# Altium PCB controller_V1.0.PcbDoc (part 1 of 8)
Units mm, origin at the board's own origin, x right, y up, seen from the top; angles counter-clockwise.
Board outline 284.13 x 175.13 mm, 4 copper layers (Top Layer, GND, VCC, Bottom Layer); 496 components, 415 nets, 1682 pads, 750 vias.
Unrouted connection lines stored in the file: 5.
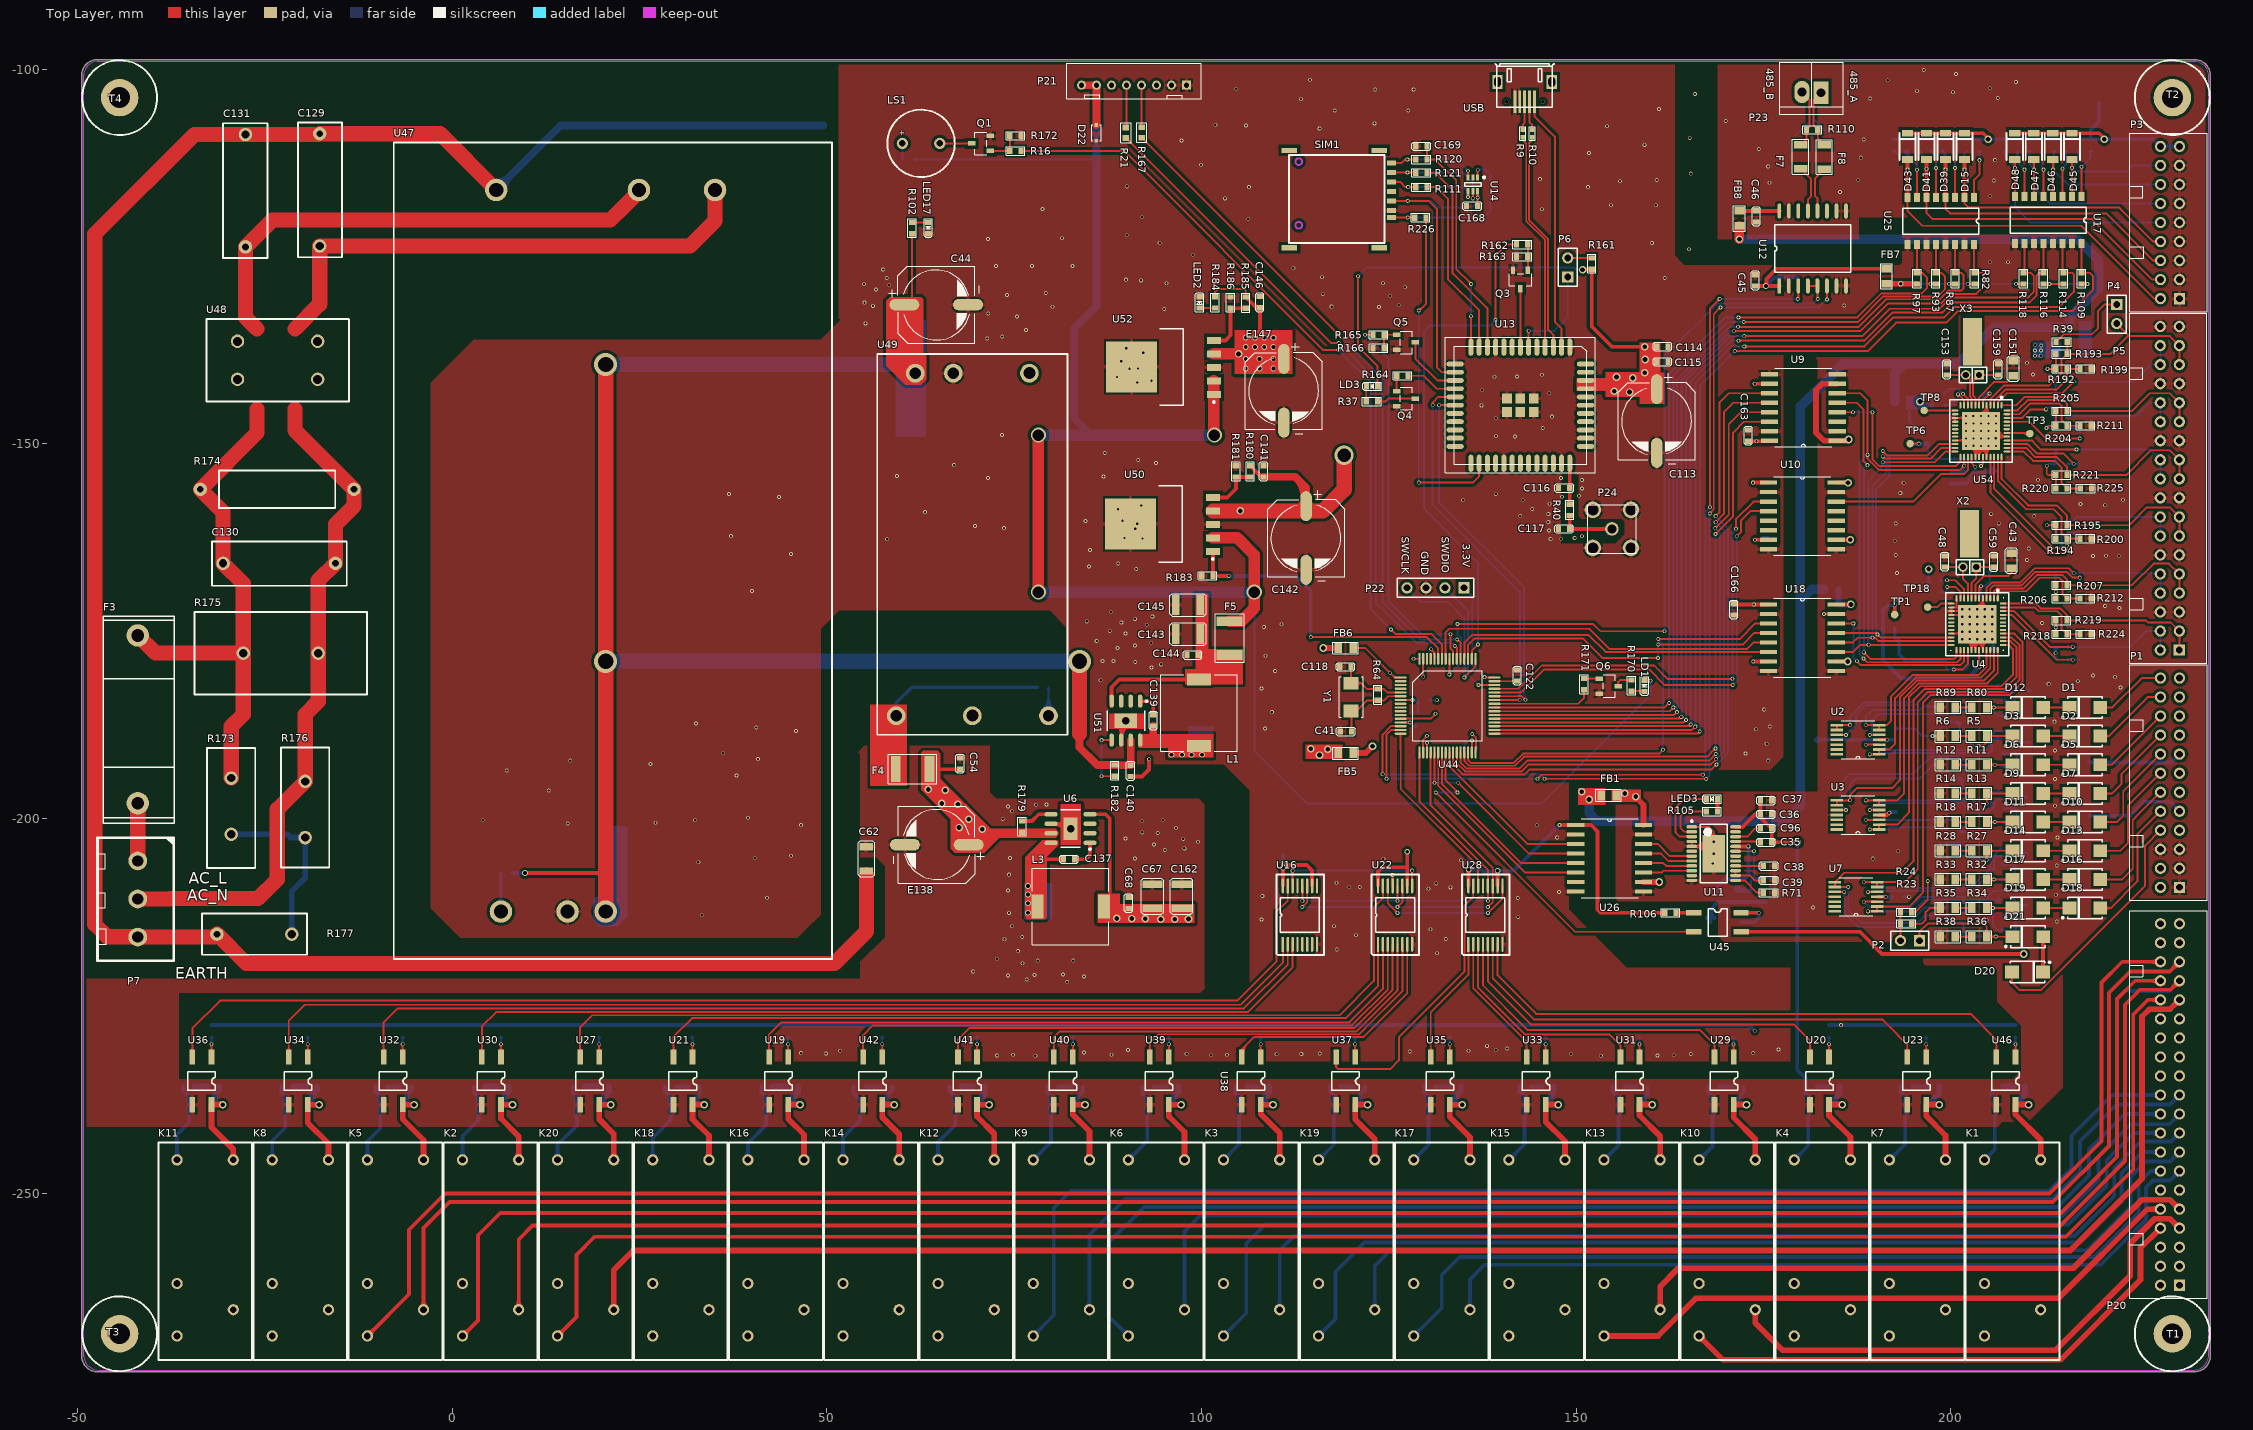
[diagram p0: Top Layer view]
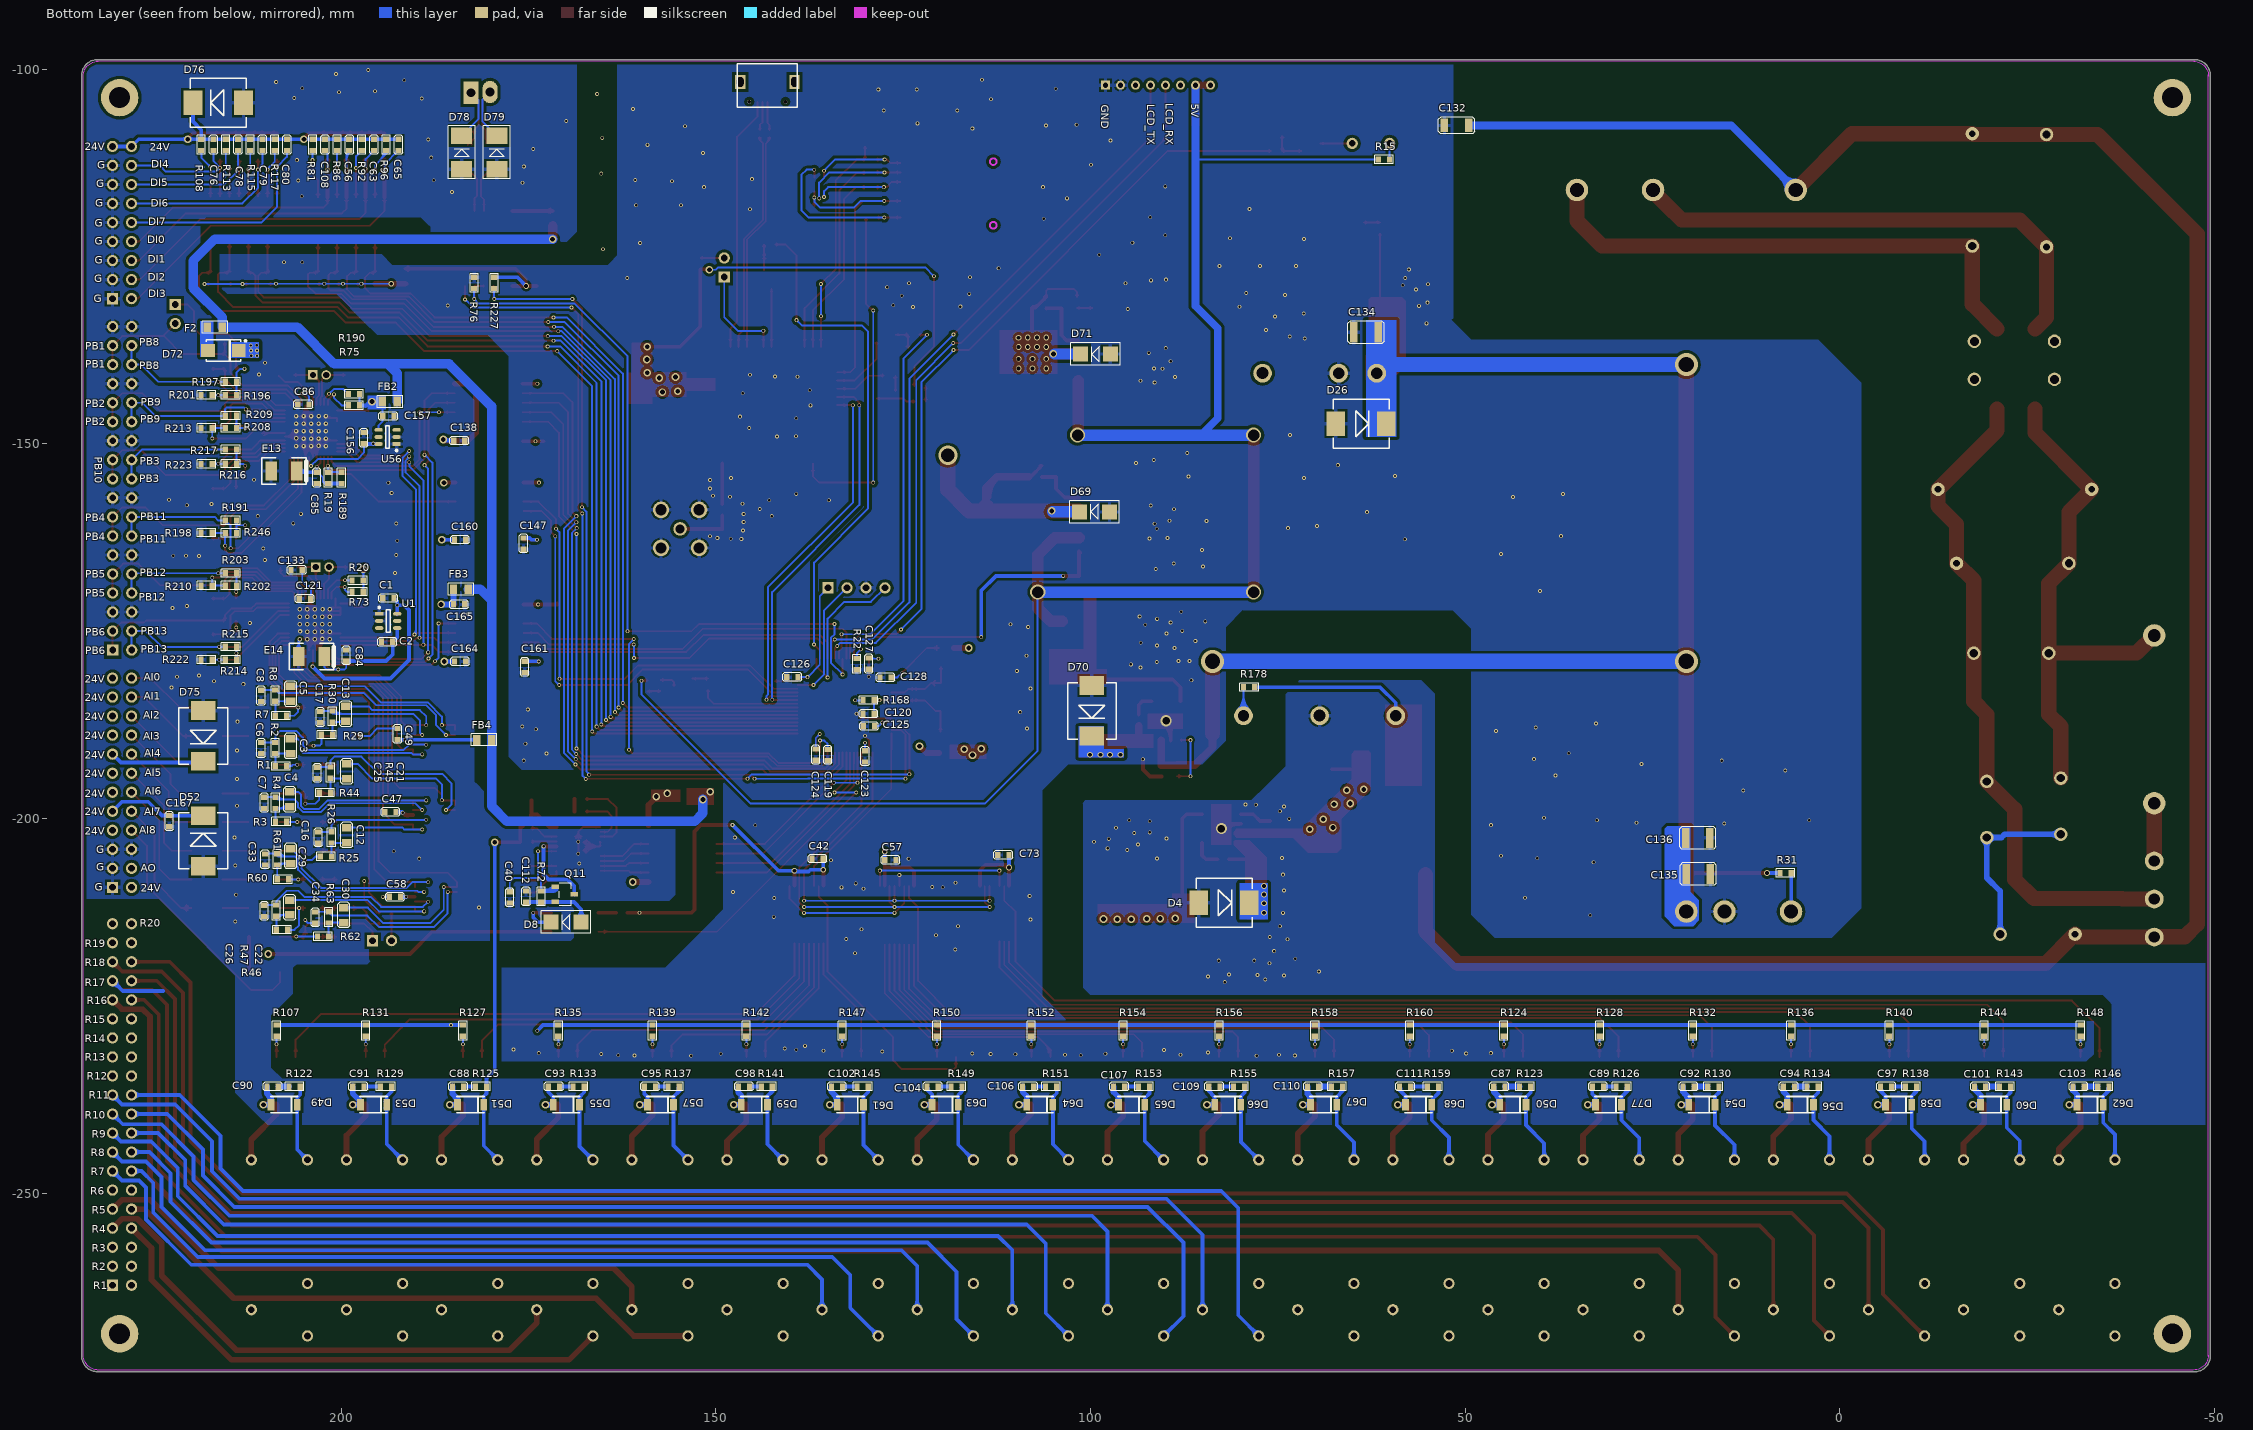
[diagram p1: Bottom Layer view, seen from below]
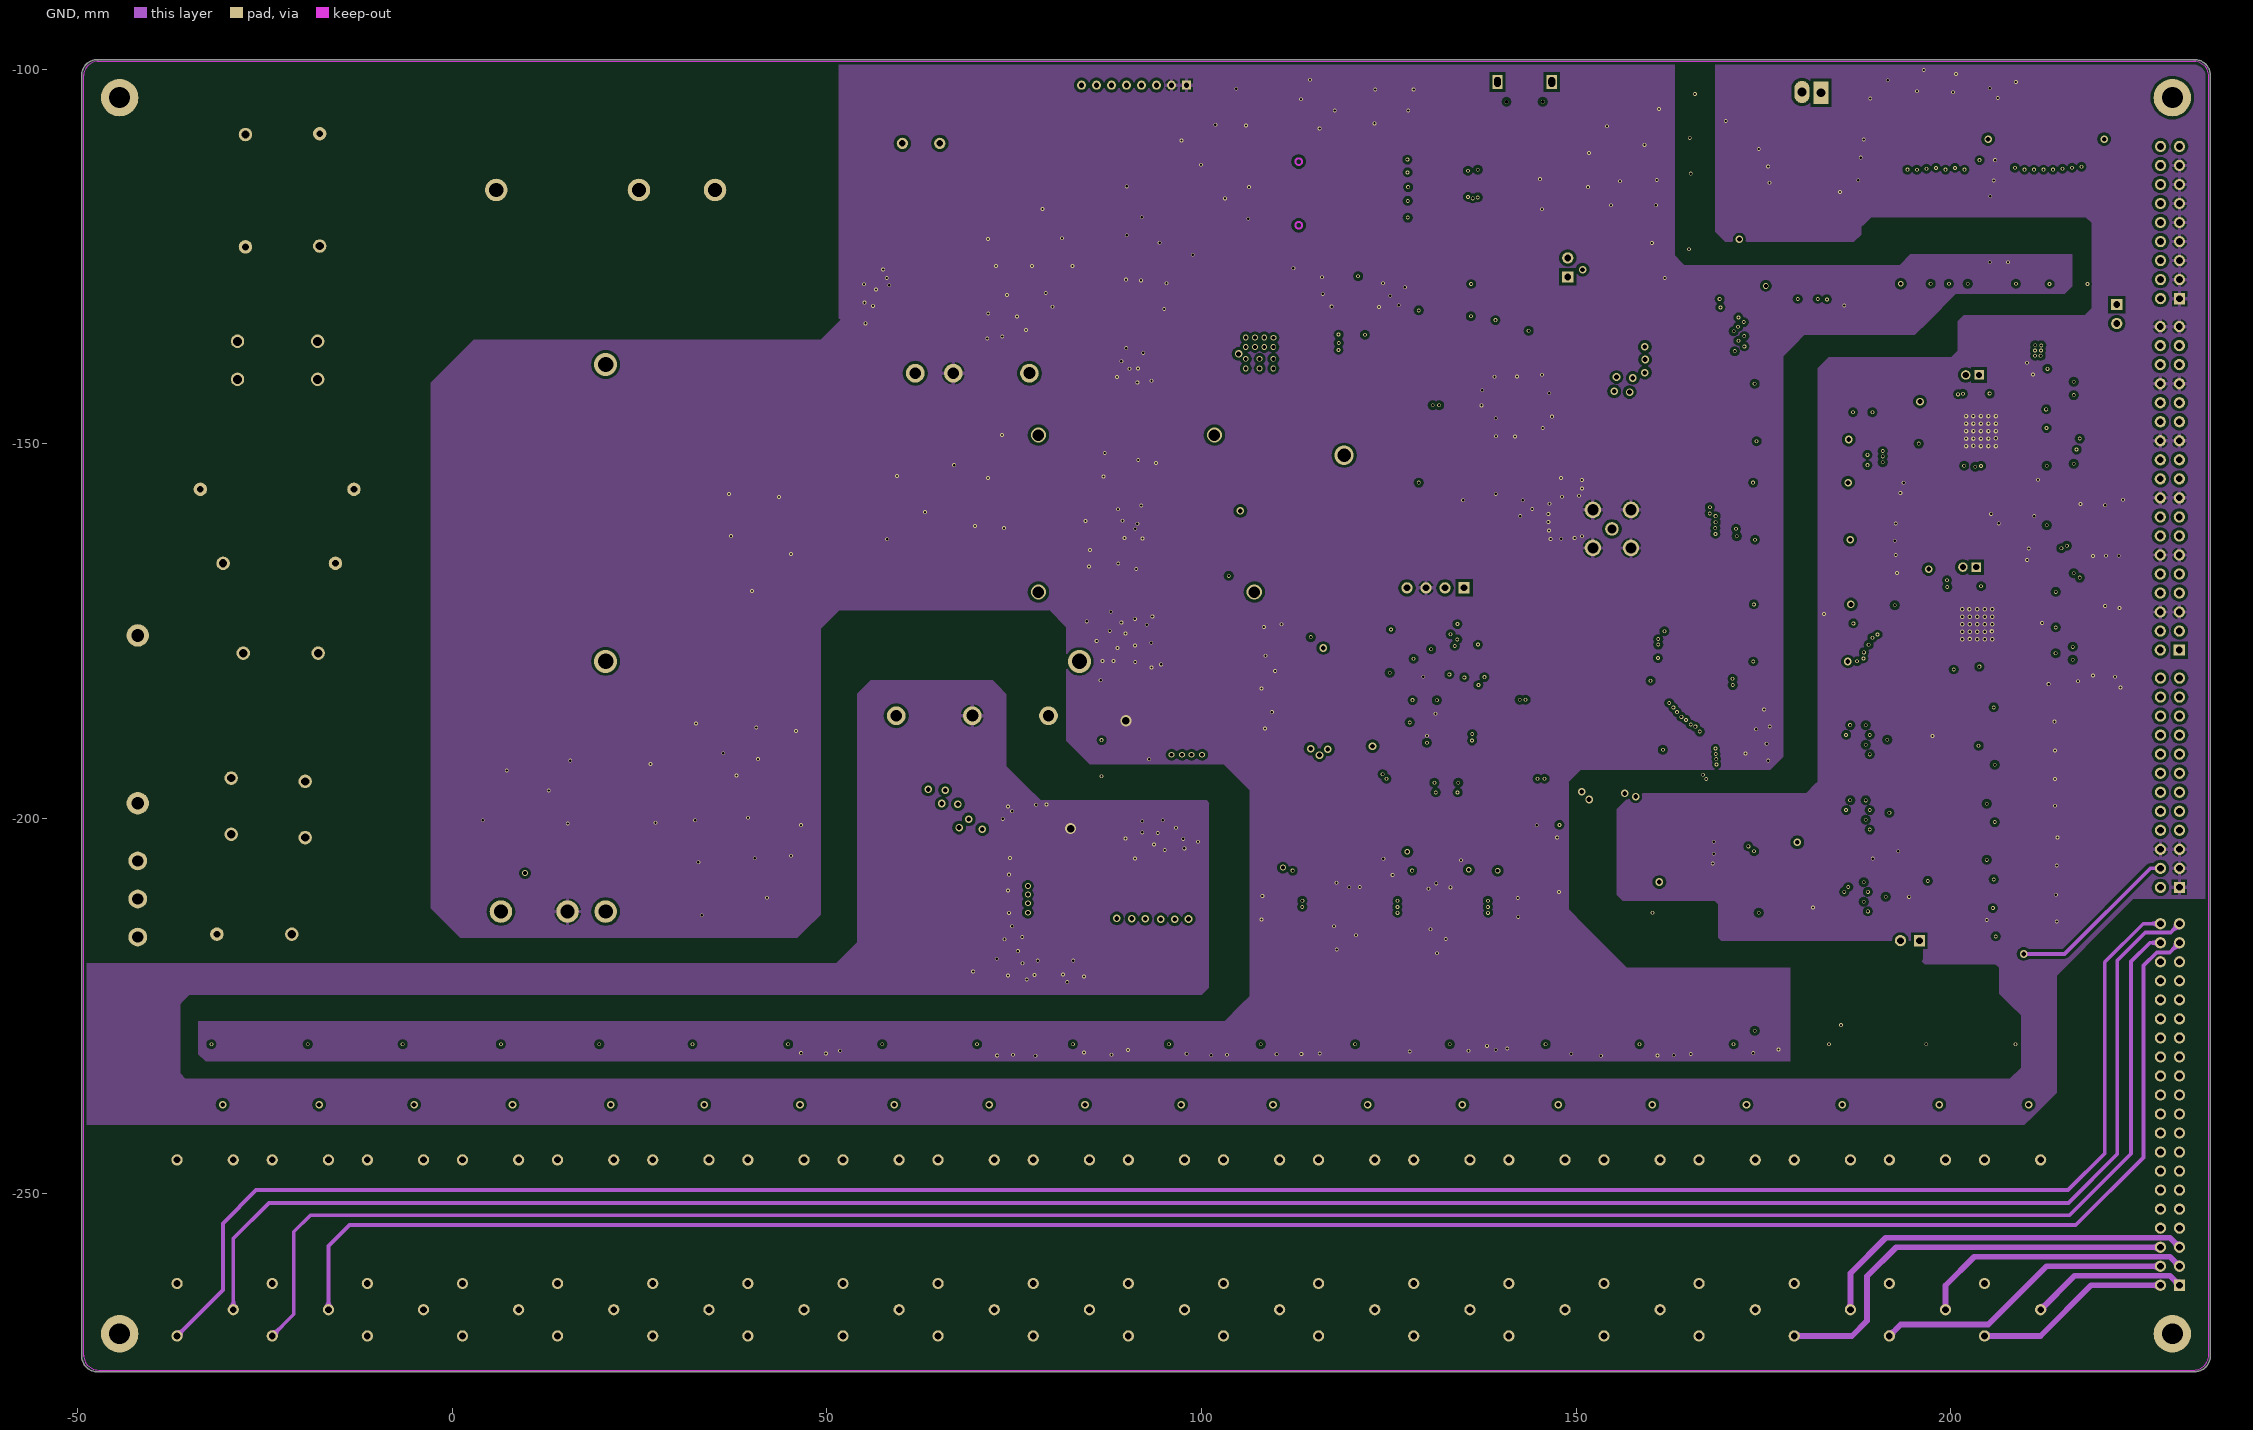
[diagram p2: GND]
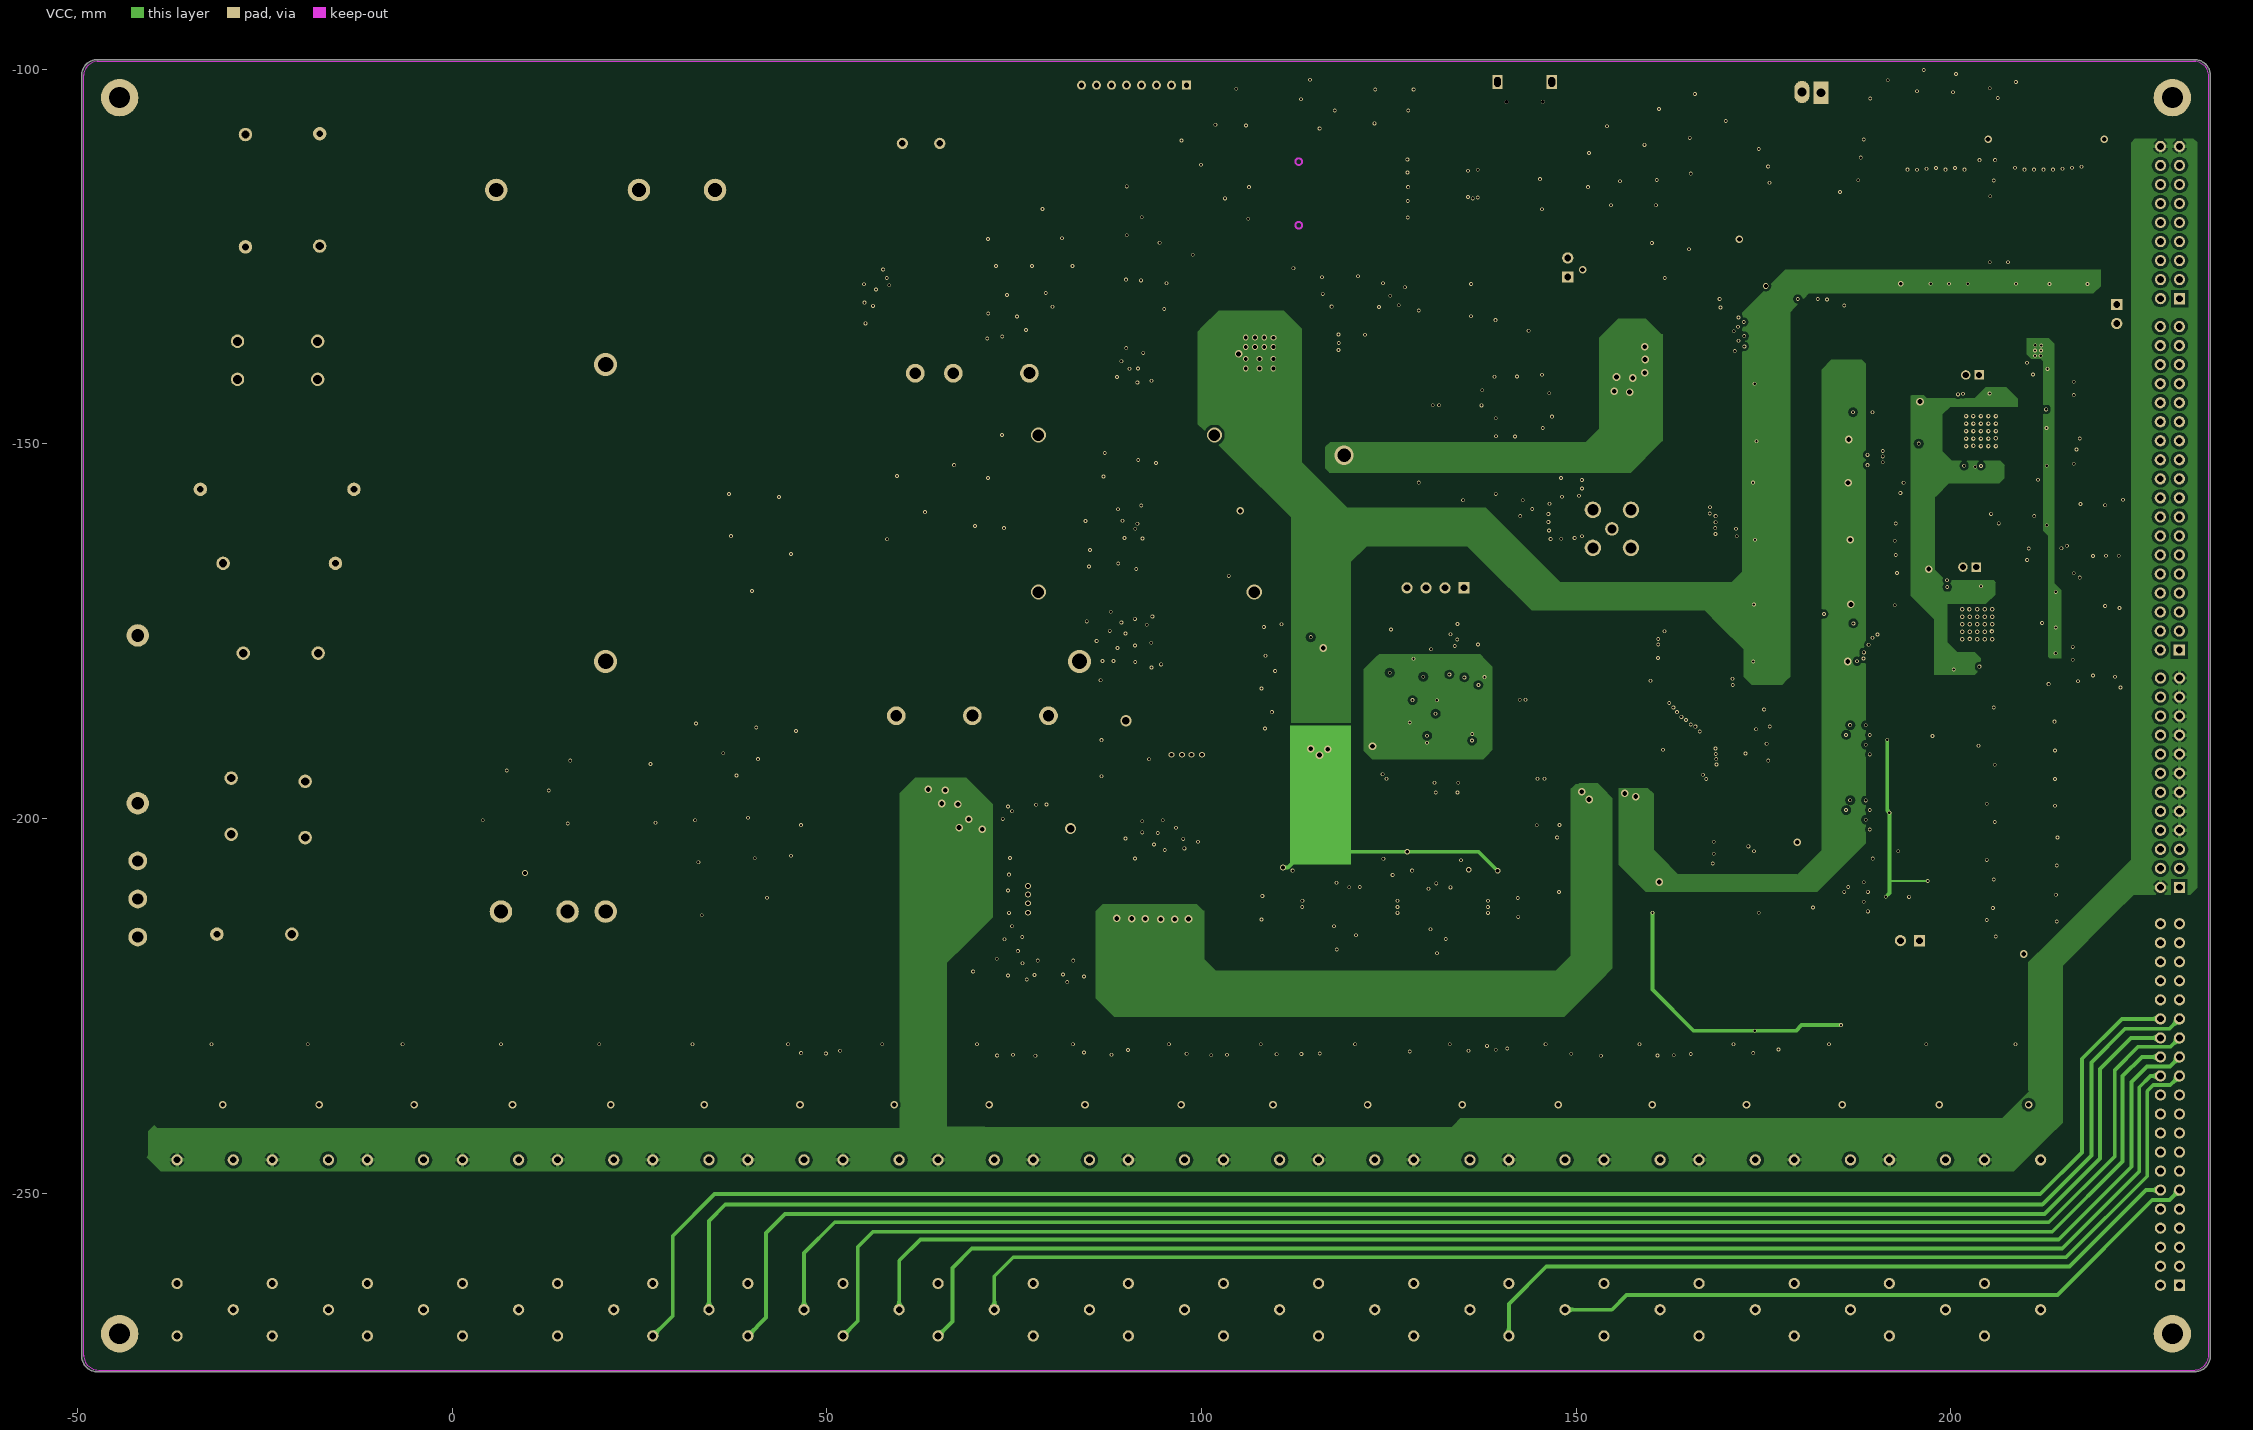
[diagram p3: VCC]

## Layer stack, top to bottom
Top Solder: solder mask 0.0102, Solder Resist, Dk 3.5
Top Layer: signal copper 0.0356
Dielectric1: core 0.32, FR-4, Dk 4.8
GND: signal copper 0.0356
Dielectric2: prepreg 0.32, FR-4, Dk 4.8
VCC: signal copper 0.0356
Dielectric3: core 0.32, FR-4, Dk 4.8
Bottom Layer: signal copper 0.0356
Bottom Solder: solder mask 0.0102, Solder Resist, Dk 3.5

## Board outline
-47.678,-273.826 cw(c-47.406,-271.781) -49.469,-271.781 -49.469,-100.762 cw(c-49.406,-100.762) -49.469,-100.758 cw(c-47.406,-100.781) -47.428,-98.717 cw(c-47.424,-98.781) -47.424,-98.717 232.689,-98.717 cw(c232.689,-98.781) 232.709,-98.72 cw(c232.594,-100.781) 234.655,-100.666 cw(c234.594,-100.686) 234.658,-100.686 234.658,-271.781 cw(c232.594,-271.781) 232.594,-273.844 -47.634,-273.844 cw(c-47.634,-273.781)

## Design rules (kind name [scope] priority, off if disabled: settings)
Clearance [InPolygon] p1: gap=0.381 ignorepadtopadclearanceinfootprint=FALSE except(0: Arc-Hole Track-Hole SMDPad-Hole THPad-Hole Via-Hole Fill-Hole Poly-Hole Region-Hole Text-Hole)
Clearance Clearance_1 [All] p2: gap=0.127 ignorepadtopadclearanceinfootprint=FALSE except(0: Arc-Hole Track-Hole SMDPad-Hole THPad-Hole Via-Hole Fill-Hole Poly-Hole Region-Hole Text-Hole)
DiffPairsRouting [All] p1: maxlimit=0.254 minlimit=0.254 mostfreqgap=0.254 toplayer_minwidth=0.381 toplayer_maxwidth=0.381 toplayer_prefwidth=0.381 midlayer1_minwidth=0.381 midlayer1_maxwidth=0.381 midlayer1_prefwidth=0.381 midlayer2_minwidth=0.381 midlayer2_maxwidth=0.381 midlayer2_prefwidth=0.381 bottomlayer_minwidth=0.381 bottomlayer_maxwidth=0.381 bottomlayer_prefwidth=0.381 maxuncoupledlength=12.7
HoleToHoleClearance [All] p1: gap=0.127 allowstackedmicrovias=TRUE
MinimumSolderMaskSliver [All] p1: minsoldermaskwidth=0.127
PolygonConnect PolygonConnect_1 [IsVia] p1: connectstyle=Direct reliefconductorwidth=0.254 reliefentries=4 polygonreliefangle="90 Angle" airgapwidth=0.254
PolygonConnect [All] p2: connectstyle=Relief reliefconductorwidth=0.508 reliefentries=4 polygonreliefangle="90 Angle" airgapwidth=0.254
RoutingVias [All] p1: holewidth=0.254 width=0.508 viastyle="Through Hole" minholewidth=0.254 minwidth=0.508 maxholewidth=2.54 maxwidth=5.08
SilkToSilkClearance [All] p1: silktosilkclearance=0.127
SilkToSolderMaskClearance SilkscreenOverComponentPads [IsPad] p1: minsilkscreentomaskgap=0 clearancetoexposedcopper=TRUE
SolderMaskExpansion [All] p1: expansion=0.102 istentingtop=FALSE
Width [All] p1: maxlimit=5.08 minlimit=0.254 preferedwidth=0.254
25 further rules are at their usual default settings.

## Classes and differential pairs
net class N000-3_[0..19]: N000-3_0 N000-3_1 N000-3_2 N000-3_3 N000-3_4 N000-3_5 N000-3_6 N000-3_7 N000-3_8 N000-3_9 N000-3_10 N000-3_11 N000-3_12 N000-3_13 N000-3_14 N000-3_15 N000-3_16 N000-3_17 N000-3_18 N000-3_19
net class N000-2_[0..19]: N000-2_0 N000-2_1 N000-2_2 N000-2_3 N000-2_4 N000-2_5 N000-2_6 N000-2_7 N000-2_8 N000-2_9 N000-2_10 N000-2_11 N000-2_12 N000-2_13 N000-2_14 N000-2_15 N000-2_16 N000-2_17 N000-2_18 N000-2_19
net class N000-1_[0..11]: N000-1_0 N000-1_1 N000-1_2 N000-1_3 N000-1_4 N000-1_5 N000-1_6 N000-1_7 N000-1_8 N000-1_9 N000-1_10 N000-1_11
net class DO_O[0..19]: DO_O0 DO_O1 DO_O2 DO_O3 DO_O4 DO_O5 DO_O6 DO_O7 DO_O8 DO_O9 DO_O10 DO_O11 DO_O12 DO_O13 DO_O14 DO_O15 DO_O16 DO_O17 DO_O18 DO_O19
net class DO[0..19]: DO0 DO1 DO2 DO3 DO4 DO5 DO6 DO7 DO8 DO9 DO10 DO11 DO12 DO13 DO14 DO15 DO16 DO17 DO18 DO19
net class DI[0..11]: DI0 DI1 DI2 DI3 DI4 DI5 DI6 DI7 DI8 DI9 DI10 DI11
component class ai: C1 C2 C3 C4 C5 C6 C7 C8 C12 C13 C16 C17 C21 C22 C25 C26 C29 C30 C33 C34 C43 C47 C48 C49 C58 C59 C84 C85 C86 C121 C133 C138 C147 C160 C161 C163 C164 D1 D2 D3 D5 D6 D7 D9 D10 D11 D12 D13 D14 D16 D17 D18 D19 D20 D21 D52 E13 E14 FB1 FB2 FB4 P1 P2 R1 R2 R3 R4 R5 R6 R7 R8 R11 R12 R13 R14 R17 R18 R19 R20 R23 R24 R25 R26 R27 R28 R29 R30 R32 R33 R34 R35 R36 R38 R44 R45 R46 R47 R60 R61 R62 R63 R73 R80 R89 TP1 TP18 U1 U2 U3 U4 U7 U9 U10 U18 X2
component class ao: C35 C36 C37 C38 C39 C40 C96 C112 C165 C166 C167 D8 D75 FB3 LED3 Q11 R71 R72 R105 R106 U11 U26 U45
component class di: C56 C63 C65 C76 C78 C79 C80 C108 D15 D39 D41 D43 D45 D46 D47 D48 D76 P3 R81 R82 R86 R87 R92 R93 R96 R97 R108 R109 R113 R114 R115 R116 R117 R118 U17 U25
component class do: C87 C88 C89 C90 C91 C92 C93 C94 C95 C97 C98 C101 C102 C103 C104 C106 C107 C109 C110 C111 D49 D50 D51 D53 D54 D55 D56 D57 D58 D59 D60 D61 D62 D63 D64 D65 D66 D67 D68 D77 F1 R107 R122 R123 R124 R125 R126 R127 R128 R129 R130 R131 R132 R133 R134 R135 R136 R137 R138 R139 R140 R141 R142 R143 R144 R145 R146 R147 R148 R149 R150 R151 R152 R153 R154 R155 R156 R157 R158 R159 R160 U19 U20 U21 U23 U27 U29 U30 U31 U32 U33 U34 U35 U36 U37 U38 U39 U40 U41 U42 U46
component class IO_ctrl: C42 C57 C73 U16 U22 U28
component class LTE: C113 C114 C115 C116 C117 C168 C169 LD3 P6 P24 Q3 Q4 Q5 R9 R10 R37 R40 R111 R120 R121 R161 R162 R163 R164 R165 R166 R226 SIM1 U13 U14 USB
component class mcu: C41 C118 C119 C120 C122 C123 C124 C125 C126 C127 C128 D22 FB5 FB6 LD1 LS1 P21 P22 Q1 Q6 R15 R16 R21 R22 R64 R167 R168 R170 R171 R172 U44 Y1
component class power: C44 C54 C62 C67 C68 C129 C130 C131 C132 C134 C135 C136 C137 C139 C140 C141 C142 C143 C144 C145 C146 C162 D4 D26 D69 D70 D71 E138 E147 F3 F4 F5 L1 L3 LED2 LED17 P7 R31 R102 R173 R174 R175 R176 R177 R178 R179 R180 R181 R182 R183 R184 R185 R186 T1 T2 T3 T4 U6 U47 U48 U49 U50 U51 U52
component class pt100: C151 C153 C156 C157 C159 D72 F2 P4 P5 R39 R75 R189 R190 R191 R192 R193 R194 R195 R196 R197 R198 R199 R200 R201 R202 R203 R204 R205 R206 R207 R208 R209 R210 R211 R212 R213 R214 R215 R216 R217 R218 R219 R220 R221 R222 R223 R224 R225 R246 TP3 TP6 TP8 U54 U56 X3
component class relay: K1 K2 K3 K4 K5 K6 K7 K8 K9 K10 K11 K12 K13 K14 K15 K16 K17 K18 K19 K20 P20
component class rs485: C45 C46 D78 D79 F7 F8 FB7 FB8 P23 R76 R110 R227 U12
differential pair MB_RX1: +MB_RX1_P -MB_RX1_N
